# Altium PCB Spektrop2_Processor_Board_V1_draft_v4.PcbDoc (part 1 of 4) (continued)
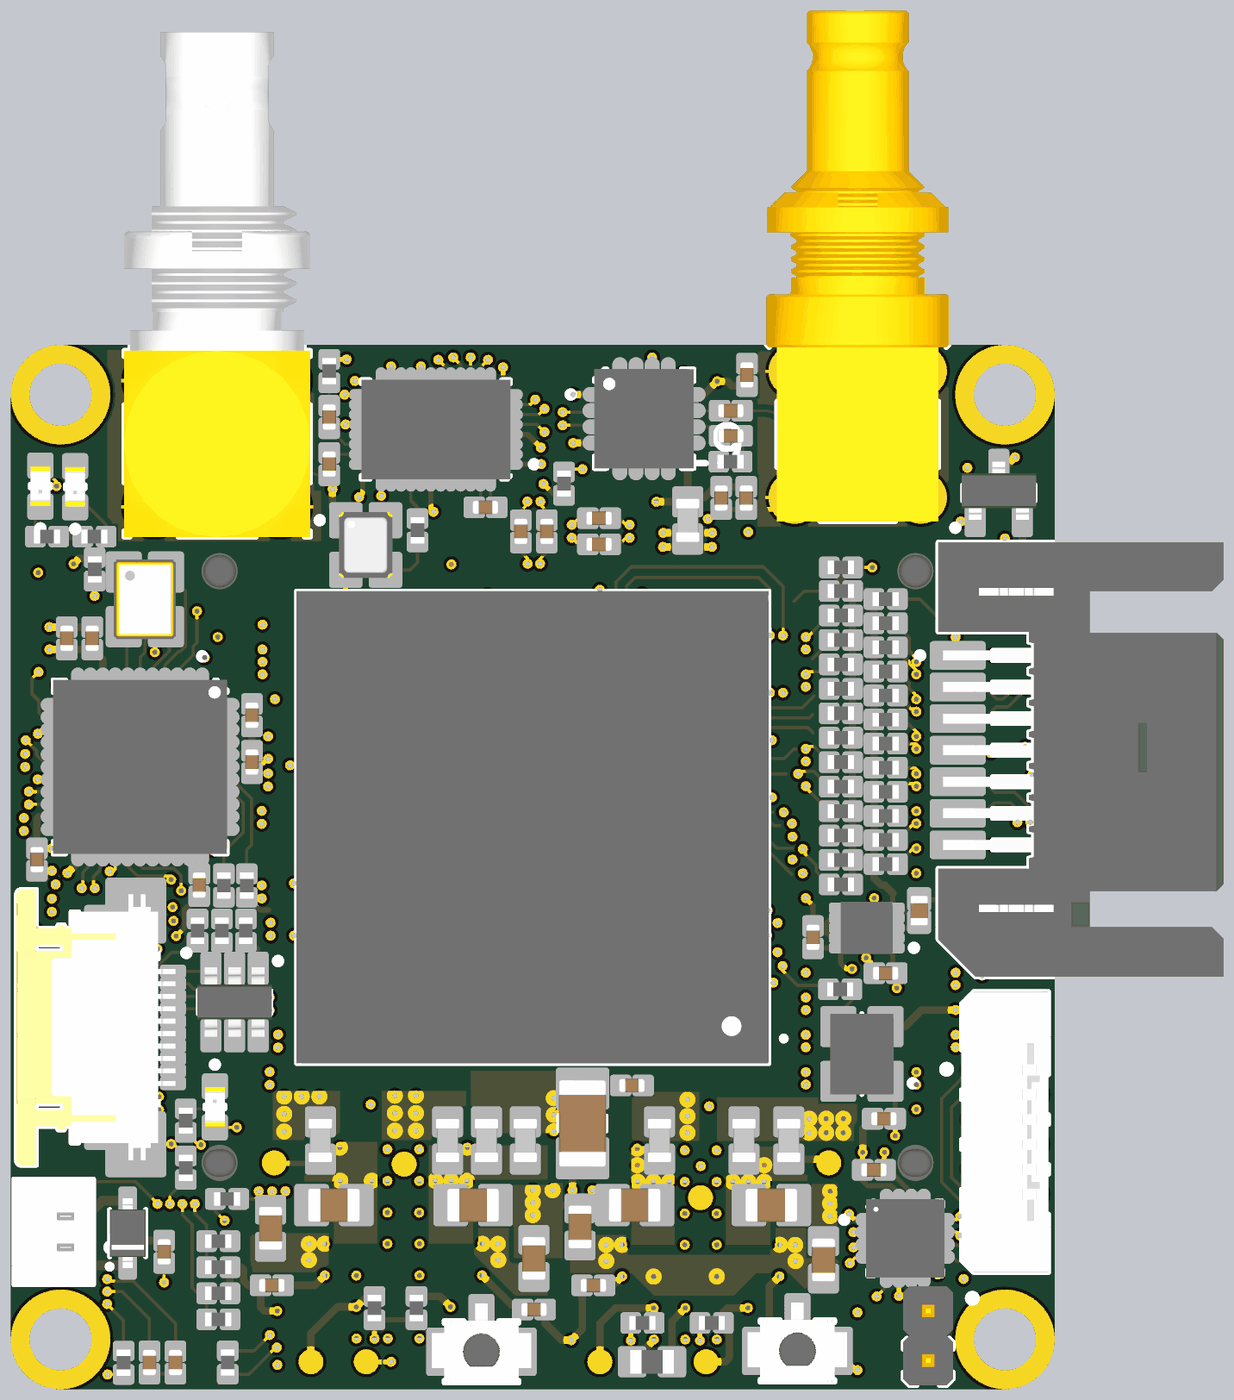
[diagram p11: 3D render of the assembled board from above, using the file's embedded part models]
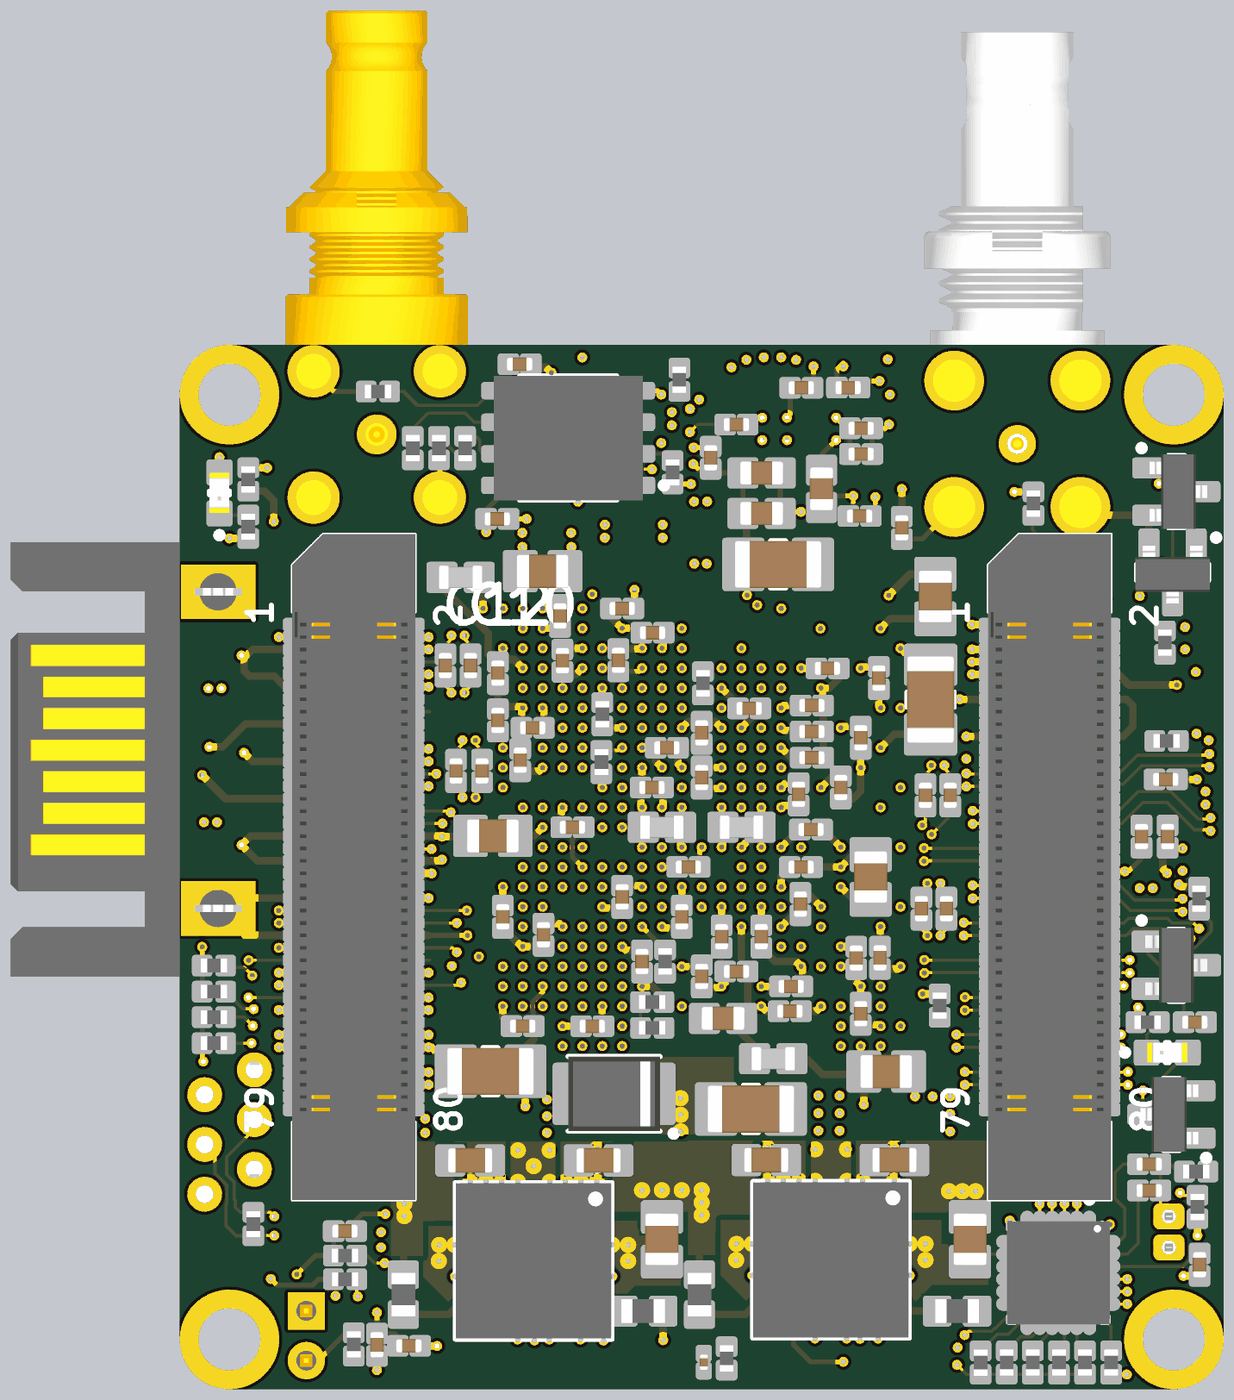
[diagram p12: 3D render of the assembled board from below, using the file's embedded part models]

## Layer stack, top to bottom
Top Solder: solder mask 0.0102, Solder Resist, Dk 3.5
TOP: signal copper 0.053
Dielectric 1: prepreg 0.11, FR-4, Dk 4.2
L1-GND: plane copper 0.018, net GND
Dielectric 3: core 0.3, Dk 4.2
L2: signal copper 0.018
Dielectric 6: prepreg 0.11, Dk 4.2
L3-1V8: signal copper 0.018
Dielectric 5: core 0.3, Dk 4.2
L4-PWR: plane copper 0.018, net (Multiple Nets)
Dielectric 4: prepreg 0.11, Dk 4.2
L5: signal copper 0.018
Dielectric 7: core 0.3, Dk 4.2
L6-GND: plane copper 0.018, net GND
Dielectric 8: prepreg 0.11, Dk 4.2
BTM: signal copper 0.053
Bottom Solder: solder mask 0.0102, Solder Resist, Dk 3.5

## Board outline
0,39.975 0,2 ccw(c2,2) 2,0 40,0 ccw(c40,2) 42,2 42,40 ccw(c40,40) 40,42 2.025,42 ccw(c2.025,39.975)

## Design rules (kind name [scope] priority, off if disabled: settings)
AcuteAngle [All] p1: minimum=6.00000000000000E+0001 checktracksonly=TRUE
AssemblyTestPointUsage [All] p1: valid=2 allowmultiple=TRUE
AssemblyTestpoint [IsPad  And (TestpointAssy = 'True') Or  (IsPad AND InComponent('J2'))] p1: testpointundercomponent=TRUE minsize=0.2 maxsize=2.54 preferedsize=0.2 minholesize=0.2 maxholesize=2 preferedholesize=0.2 testpointgrid=2.54 usegrid=FALSE gridoriginx=144.775 gridoriginy=129.55 gridtolerance=0 allowsidebottom=TRUE minspacing=1 compbodyclearance=1
BoardOutlineClearance BoardOutlineClearance_1 [All] p1: gap=0.2 ignorepadtopadclearanceinfootprint=FALSE
BoardOutlineClearance BoardOutlineClearance_L2 [OnLayer('L2')] p2: gap=2 ignorepadtopadclearanceinfootprint=FALSE
BoardOutlineClearance BoardOutlineClearance_L4 [OnLayer('L5')] p3: gap=2 ignorepadtopadclearanceinfootprint=FALSE
Clearance Clearance_75OHM [InNetClass('75OHM')] p1: gap=0.3 ignorepadtopadclearanceinfootprint=TRUE except(0: Arc-Hole Track-Hole SMDPad-Hole THPad-Hole Via-Hole Fill-Hole Poly-Hole Region-Hole Text-Hole)
Clearance Clearance_BGA [WithinRoom('BGA') vs WithinRoom('BGA')] p2: gap=0.1 ignorepadtopadclearanceinfootprint=TRUE except(0: Arc-Hole Track-Hole SMDPad-Hole THPad-Hole Via-Hole Fill-Hole Poly-Hole Region-Hole Text-Hole)
Clearance Clearance_DIFF_PAIRS [IsDifferentialPair vs IsDifferentialPair] p3: gap=0.5 ignorepadtopadclearanceinfootprint=TRUE except(0: Arc-Hole Track-Hole SMDPad-Hole THPad-Hole Via-Hole Fill-Hole Poly-Hole Region-Hole Text-Hole)
Clearance Clearance_PWR [InPolygon vs InNetClass('PWR')] p4: gap=0.2 ignorepadtopadclearanceinfootprint=FALSE except(0: Arc-Hole Track-Hole SMDPad-Hole THPad-Hole Via-Hole Fill-Hole Poly-Hole Region-Hole Text-Hole; 0.125: Via-Fill Via-Poly Via-Region)
Clearance Clearance_POLY [InPolygon] p5: gap=0.2 ignorepadtopadclearanceinfootprint=FALSE except(0: Arc-Hole Track-Hole SMDPad-Hole THPad-Hole Via-Hole Fill-Hole Poly-Hole Region-Hole Text-Hole; 0.125: Via-Fill Via-Poly Via-Region)
Clearance Clearance_General [All] p6: gap=0.125 ignorepadtopadclearanceinfootprint=TRUE except(0: Arc-Hole Track-Hole SMDPad-Hole THPad-Hole Via-Hole Fill-Hole Poly-Hole Region-Hole Text-Hole)
ComponentClearance ComponentClearance_SRAM [HasFootprint('SOP50P2000X120-48N') vs HasFootprint('SOP80P1184X119-44N')] p1: gap=0 collisioncheckmode=3 verticalgap=0 showdistances=FALSE
ComponentClearance [All] p2: gap=0.1 collisioncheckmode=3 verticalgap=0.35 showdistances=FALSE
DiffPairsRouting [InDifferentialPairClass('All Differential Pairs')] p1: maxlimit=0.3 minlimit=0.2 mostfreqgap=0.2 toplayer_prefgap=0.3 toplayer_minwidth=0.125 toplayer_maxwidth=0.125 toplayer_prefwidth=0.125 midlayer1_minwidth=0.1 midlayer1_maxwidth=0.1 midlayer1_prefwidth=0.1 midlayer2_minwidth=0.1 midlayer2_maxwidth=0.1 midlayer2_prefwidth=0.1 midlayer3_minwidth=0.1 midlayer3_maxwidth=0.1 midlayer3_prefwidth=0.1 bottomlayer_prefgap=0.3 bottomlayer_minwidth=0.125 bottomlayer_maxwidth=0.125 bottomlayer_prefwidth=0.125 maxuncoupledlength=5
FabricationTestPointUsage TestPointUsage [All] p1 off: valid=0 allowmultiple=FALSE
FabricationTestpoint Testpoint [All] p1 off: side=3 testpointundercomponent=TRUE minsize=1.016 maxsize=2.54 preferedsize=1.524 minholesize=0 maxholesize=1.016 preferedholesize=0.813 testpointgrid=0.025 allowsidetop=TRUE allowsidebottom=TRUE usegrid=TRUE gridtolerance=0
FanoutControl Fanout_BGA [IsBGA] p1: bgadir=Out bgaviamode=Centered fanoutstyle=BGA fanoutdirection=OutOnly viagrid=0.025 // Fanout_BGA (Default Rule)
FanoutControl Fanout_Default [All] p5: bgadir=Out bgaviamode=Centered fanoutstyle=BGA fanoutdirection=Alternating viagrid=0.025 // Fanout_Default (Default Rule)
HoleSize [All] p1: absolutevalues=TRUE maxlimit=5 minlimit=0.2 maxpercent=80.000 minpercent=20.000
HoleToHoleClearance [All] p1: gap=0.2 allowstackedmicrovias=FALSE
MinimumSolderMaskSliver [All] p1: minsoldermaskwidth=0.05
PasteMaskExpansion [All] p1: expansion=0.125
PermittedLayers [All] p1: toplayerpermitted=TRUE bottomlayerpermitted=FALSE
PlaneClearance [All] p1: clearance=0.125
PlaneConnect [All] p1: planeconnectstyle=Direct reliefexpansion=0.508 reliefentries=4 reliefconductorwidth=0.381 reliefairgap=0.381
PolygonConnect PolygonConnect_PWR [InNetClass('PWR')] p1: thpad.connectstyle=Relief thpad.reliefconductorwidth=0.125 thpad.reliefentries=4 thpad.polygonreliefangle="90 Angle" thpad.airgapwidth=0.125 smdpad.connectstyle=Relief smdpad.reliefconductorwidth=0.125 smdpad.reliefentries=4 smdpad.polygonreliefangle="90 Angle" smdpad.airgapwidth=0.125 via.connectstyle=Direct via.reliefconductorwidth=0.2 via.reliefentries=4 via.polygonreliefangle="90 Angle" via.airgapwidth=0.2
PolygonConnect "Vias Direct Connect" [IsVia] p2: connectstyle=Direct reliefconductorwidth=0.254 reliefentries=4 polygonreliefangle="90 Angle" airgapwidth=0.254
PolygonConnect [All] p3: connectstyle=Direct reliefconductorwidth=0.2 reliefentries=4 polygonreliefangle="90 Angle" airgapwidth=0.2
RoomDefinition BGA [HasFootprint('BGA484C80P22X22_1900X1900X160')] p1: confinementstyle=ConfineIn formatcopy=TRUE lockcomponents=FALSE outline 12.45,14.229 29.45,14.229 29.45,34.5 12.45,34.5
RoomDefinition Zynq_all [InComponentClass('U_Zynq_Config') OR InComponentClass('U_Zynq_FPGA_Bank34') OR InComponentClass('U_Zynq_FPGA_Bank13') OR InComponentClass('U_Zynq_FPGA_Bank35') OR InComponentClass('U_Zynq_MGT') OR InComponentClass('U_Zynq_Power') OR InComponentClass('U_Zynq_PS');] p2: confinementstyle=ConfineIn formatcopy=TRUE lockcomponents=FALSE outline 124.125,47.324 170.395,47.324 170.395,87.124 124.125,87.124
RoomDefinition CoaXPress [InComponentClass('CoaXPress')] p3: confinementstyle=ConfineIn formatcopy=TRUE lockcomponents=FALSE outline 133.7,105.8 166.7,105.8 166.7,132.4 133.7,132.4
RoomDefinition U_UHD_SDI [InComponentClass('U_UHD_SDI')] p4: confinementstyle=ConfineIn formatcopy=TRUE lockcomponents=FALSE outline 106.9,108.8 127.4,108.8 127.4,132.126 106.9,132.126
RoomDefinition U_SATA [InComponentClass('U_SATA')] p5: confinementstyle=ConfineIn formatcopy=TRUE lockcomponents=FALSE outline 43.1,88.6 56.1,88.6 56.1,109.6 43.1,109.6
RoomDefinition U_MGT_Clock_Generation [InComponentClass('U_MGT_Clock_Generation')] p6: confinementstyle=ConfineIn formatcopy=TRUE lockcomponents=FALSE outline 100,4.9 116.7,4.9 116.7,16.2 100,16.2
RoomDefinition RS485 [InComponentClass('RS485')] p7: confinementstyle=ConfineIn formatcopy=TRUE lockcomponents=FALSE outline 140.5,4.9 179.8,4.9 179.8,18.2 140.5,18.2
RoomDefinition Power [InComponentClass('Power')] p8: confinementstyle=ConfineIn formatcopy=TRUE lockcomponents=FALSE outline 42.8,33.5 102,33.5 102,55.8 42.8,55.8
RoutingCorners RoutingCorners_rounded [InNetClass('75OHM')] p1: cornerstyle=Round minsetback=1.27 maxsetback=1.27
RoutingCorners [All] p2: cornerstyle=45-Degree minsetback=1.27 maxsetback=1.27
RoutingVias [All] p1: holewidth=0.2 width=0.4 viastyle="Through Hole" minholewidth=0.2 minwidth=0.4 maxholewidth=1 maxwidth=1.5
SignalStimulus [InNetClass('SCK')] p1: kind=2 level=0 starttime=10.00n stoptime=60.00n periodtime=100.00n
SilkToSilkClearance [All] p1: silktosilkclearance=0.125
SilkToSolderMaskClearance SilkscreenOverComponentPads [IsPad] p1: minsilkscreentomaskgap=0.125 clearancetoexposedcopper=TRUE
SolderMaskExpansion [All] p1: expansion=0.125
UnRoutedNet [All] p1: checkbadconnections=TRUE
Width Width_SE75 [InNetClass('75OHM')] p1: maxlimit=1 minlimit=0.1 preferedwidth=1 toplayer_maxwidth=0.1 toplayer_prefwidth=0.1 midlayer1_minwidth=1 midlayer2_minwidth=1 midlayer3_minwidth=1 bottomlayer_maxwidth=0.1 bottomlayer_prefwidth=0.1 minimp=50.000000 maximp=50.000000 favimp=50.000000 // Routed as coplanar waveguide on the top layer
Width Width_SE50 [InNetClass('SE50')] p2: maxlimit=0.125 minlimit=0.1 preferedwidth=0.1 toplayer_minwidth=0.125 toplayer_prefwidth=0.125 midlayer1_maxwidth=0.1 midlayer2_maxwidth=0.1 midlayer3_maxwidth=0.1 bottomlayer_minwidth=0.125 bottomlayer_prefwidth=0.125 minimp=50.000000 maximp=50.000000 favimp=50.000000
Width Width_PWR [InNetClass('PWR')] p3: maxlimit=5 minlimit=0.2 preferedwidth=0.3 minimp=50.000000 maximp=50.000000 favimp=50.000000 checkconnectedcopper=TRUE
Width [All] p4: maxlimit=1 minlimit=0.1 preferedwidth=0.1 toplayer_minwidth=0.125 toplayer_prefwidth=0.125 bottomlayer_minwidth=0.125 bottomlayer_prefwidth=0.125 minimp=50.000000 maximp=50.000000 favimp=50.000000 checkconnectedcopper=TRUE
Width Width_BGA [WithinRoom('BGA')] p5: maxlimit=1 minlimit=0.1 preferedwidth=0.1 toplayer_prefwidth=0.125 bottomlayer_prefwidth=0.125 minimp=50.000000 maximp=50.000000 favimp=50.000000 checkconnectedcopper=TRUE
12 further rules are at their usual default settings.

## Classes and differential pairs
net class SE50: FPGA_BANK35_HSTL_IN_IO0 FPGA_BANK35_HSTL_IN_IO1 FPGA_BANK35_HSTL_IN_IO2 FPGA_BANK35_HSTL_IN_IO3 FPGA_BANK35_HSTL_IN_IO4 FPGA_BANK35_HSTL_IN_IO5 FPGA_BANK35_HSTL_IN_IO6 FPGA_BANK35_HSTL_IN_IO7 FPGA_BANK35_HSTL_IN_IO8 FPGA_BANK35_HSTL_IN_IO9 FPGA_BANK35_HSTL_IN_IO10 FPGA_BANK35_HSTL_IN_IO11 FPGA_BANK35_HSTL_IN_IO12 FPGA_BANK35_HSTL_IN_IO13 FPGA_BANK35_HSTL_IN_IO14 FPGA_BANK35_HSTL_IN_IO15 FPGA_BANK35_HSTL_IN_IO16 FPGA_BANK35_HSTL_IN_IO17 FPGA_BANK35_HSTL_IN_IO18 FPGA_BANK35_HSTL_IN_IO19 FPGA_BANK35_HSTL_IN_IO20 FPGA_BANK35_HSTL_IN_IO21 FPGA_BANK35_HSTL_IN_IO22 FPGA_BANK35_HSTL_IN_IO23 FPGA_BANK35_HSTL_IN_IO24 FPGA_BANK35_HSTL_IN_IO25 FPGA_BANK35_HSTL_IO1 FPGA_BANK35_HSTL_IO2 FPGA_BANK35_HSTL_IO3 PUDC_B
net class DIFF100: CLK_MGT0_C_N CLK_MGT0_C_P CLK_MGT0_N CLK_MGT0_P CLK_MGT1_C_N CLK_MGT1_C_P CLK_MGT1_N CLK_MGT1_P FPGA_BANK34_DIFF1_N FPGA_BANK34_DIFF1_P FPGA_BANK34_DIFF2_N FPGA_BANK34_DIFF2_P FPGA_BANK34_DIFF3_N FPGA_BANK34_DIFF3_P FPGA_BANK34_DIFF4_N FPGA_BANK34_DIFF4_P FPGA_BANK34_DIFF5_N FPGA_BANK34_DIFF5_P FPGA_BANK34_DIFF6_N FPGA_BANK34_DIFF6_P FPGA_BANK34_DIFF7_N FPGA_BANK34_DIFF7_P FPGA_BANK34_DIFF8_N FPGA_BANK34_DIFF8_P FPGA_BANK34_DIFF9_N FPGA_BANK34_DIFF9_P FPGA_BANK34_DIFF10_N FPGA_BANK34_DIFF10_P FPGA_BANK34_DIFF11_N FPGA_BANK34_DIFF11_P FPGA_BANK34_DIFF12_N FPGA_BANK34_DIFF12_P FPGA_BANK34_DIFF13_N FPGA_BANK34_DIFF13_P FPGA_BANK34_DIFF14_N FPGA_BANK34_DIFF14_P FPGA_BANK34_DIFF15_N FPGA_BANK34_DIFF15_P FPGA_BANK34_DIFF16_N FPGA_BANK34_DIFF16_P FPGA_BANK34_DIFF17_N FPGA_BANK34_DIFF17_P FPGA_BANK34_DIFF18_N FPGA_BANK34_DIFF18_P FPGA_BANK34_DIFF19_N FPGA_BANK34_DIFF19_P MGT_RX0_C_N MGT_RX0_C_P MGT_RX0_N MGT_RX0_P MGT_TX0_C_N MGT_TX0_C_P MGT_TX0_N MGT_TX0_P MGT_TX1_C_N MGT_TX1_C_P MGT_TX1_N MGT_TX1_P MGT_TX2_C_N MGT_TX2_C_P MGT_TX2_N MGT_TX2_P
net class Bank34: COAXPRESS_UPLINK FPGA_BANK35_HSTL_IN_IO0 FPGA_BANK35_HSTL_IN_IO1 FPGA_BANK35_HSTL_IN_IO2 FPGA_BANK35_HSTL_IN_IO3 FPGA_BANK35_HSTL_IN_IO4 FPGA_BANK35_HSTL_IN_IO5 FPGA_BANK35_HSTL_IN_IO6 FPGA_BANK35_HSTL_IN_IO7 FPGA_BANK35_HSTL_IN_IO8 FPGA_BANK35_HSTL_IN_IO9 FPGA_BANK35_HSTL_IN_IO10 FPGA_BANK35_HSTL_IN_IO11 FPGA_BANK35_HSTL_IN_IO12 FPGA_BANK35_HSTL_IN_IO13 FPGA_BANK35_HSTL_IN_IO14 FPGA_BANK35_HSTL_IN_IO15 FPGA_BANK35_HSTL_IN_IO16 FPGA_BANK35_HSTL_IN_IO17 FPGA_BANK35_HSTL_IN_IO18 FPGA_BANK35_HSTL_IN_IO19 FPGA_BANK35_HSTL_IN_IO20 FPGA_BANK35_HSTL_IN_IO21 FPGA_BANK35_HSTL_IN_IO22 FPGA_BANK35_HSTL_IN_IO23 FPGA_BANK35_HSTL_IN_IO24 FPGA_BANK35_HSTL_IN_IO25 FPGA_BANK35_HSTL_IO0 FPGA_BANK35_HSTL_IO1 FPGA_BANK35_HSTL_IO2 FPGA_BANK35_HSTL_IO3 GS12281_GPIO0 GS12281_GPIO1 GS12281_GPIO2 GS12281_GPIO3 GS12281_nCS GS12281_SCLK GS12281_SDIN GS12281_SDOUT LED0 LED1 PUDC_B SI5340_SCL SI5340_SDA
net class Bank35: FPGA_BANK34_DIFF1_N FPGA_BANK34_DIFF1_P FPGA_BANK34_DIFF2_N FPGA_BANK34_DIFF2_P FPGA_BANK34_DIFF3_N FPGA_BANK34_DIFF3_P FPGA_BANK34_DIFF4_N FPGA_BANK34_DIFF4_P FPGA_BANK34_DIFF5_N FPGA_BANK34_DIFF5_P FPGA_BANK34_DIFF6_N FPGA_BANK34_DIFF6_P FPGA_BANK34_DIFF7_N FPGA_BANK34_DIFF7_P FPGA_BANK34_DIFF8_N FPGA_BANK34_DIFF8_P FPGA_BANK34_DIFF9_N FPGA_BANK34_DIFF9_P FPGA_BANK34_DIFF10_N FPGA_BANK34_DIFF10_P FPGA_BANK34_DIFF11_N FPGA_BANK34_DIFF11_P FPGA_BANK34_DIFF12_N FPGA_BANK34_DIFF12_P FPGA_BANK34_DIFF13_N FPGA_BANK34_DIFF13_P FPGA_BANK34_DIFF14_N FPGA_BANK34_DIFF14_P FPGA_BANK34_DIFF15_N FPGA_BANK34_DIFF15_P FPGA_BANK34_DIFF16_N FPGA_BANK34_DIFF16_P FPGA_BANK34_DIFF17_N FPGA_BANK34_DIFF17_P FPGA_BANK34_DIFF18_N FPGA_BANK34_DIFF18_P FPGA_BANK34_DIFF19_N FPGA_BANK34_DIFF19_P RS485_RX RS485_TX SI5340_LOS_XAXBb SI5340_nINTR Si5340_nLOL SI5340_nRST
net class Bank13: FPGA_BANK13_IO0 FPGA_BANK13_IO1 FPGA_BANK13_IO2 FPGA_BANK13_IO3 FPGA_BANK13_IO4 FPGA_BANK13_IO5 FPGA_BANK13_IO6 FPGA_BANK13_IO7 FPGA_BANK13_IO8 FPGA_BANK13_IO9 FPGA_BANK13_IO10
net class 75OHM: nSDO0 nSDO0_C SDO0 SDO0_C
component class U_UHD_SDI: C110 C111 C112 C113 C114 C125 C126 C127 C128 C129 C130 C131 C132 C133 IC6 J6 OSC2 R66 R67
net class FPGA_BANK35_HSTL_IO[3..0]: FPGA_BANK35_HSTL_IO0 FPGA_BANK35_HSTL_IO1 FPGA_BANK35_HSTL_IO2 FPGA_BANK35_HSTL_IO3
net class FPGA_BANK35_HSTL_IN_IO[25..0]: FPGA_BANK35_HSTL_IN_IO0 FPGA_BANK35_HSTL_IN_IO1 FPGA_BANK35_HSTL_IN_IO2 FPGA_BANK35_HSTL_IN_IO3 FPGA_BANK35_HSTL_IN_IO4 FPGA_BANK35_HSTL_IN_IO5 FPGA_BANK35_HSTL_IN_IO6 FPGA_BANK35_HSTL_IN_IO7 FPGA_BANK35_HSTL_IN_IO8 FPGA_BANK35_HSTL_IN_IO9 FPGA_BANK35_HSTL_IN_IO10 FPGA_BANK35_HSTL_IN_IO11 FPGA_BANK35_HSTL_IN_IO12 FPGA_BANK35_HSTL_IN_IO13 FPGA_BANK35_HSTL_IN_IO14 FPGA_BANK35_HSTL_IN_IO15 FPGA_BANK35_HSTL_IN_IO16 FPGA_BANK35_HSTL_IN_IO17 FPGA_BANK35_HSTL_IN_IO18 FPGA_BANK35_HSTL_IN_IO19 FPGA_BANK35_HSTL_IN_IO20 FPGA_BANK35_HSTL_IN_IO21 FPGA_BANK35_HSTL_IN_IO22 FPGA_BANK35_HSTL_IN_IO23 FPGA_BANK35_HSTL_IN_IO24 FPGA_BANK35_HSTL_IN_IO25
net class FPGA_BANK13_IO[10..0]: FPGA_BANK13_IO0 FPGA_BANK13_IO1 FPGA_BANK13_IO2 FPGA_BANK13_IO3 FPGA_BANK13_IO4 FPGA_BANK13_IO5 FPGA_BANK13_IO6 FPGA_BANK13_IO7 FPGA_BANK13_IO8 FPGA_BANK13_IO9 FPGA_BANK13_IO10
component class U_Zynq_FPGA_Bank35: C122 C123 C124 IC9 LD3 LD4 LD? R58 R62 R77 R78 R85 R86 R87 R88 R89 R90 R91 R92 R93 R94 R95 R96 R97 R98 R99 R100 R101 R102 R103 R104 R105 R106 R107 R108 R109 R110 R? T4 T5 T?
component class U_Sensor_Board_Connectors_80_pin: J7 J8
component class U_SATA: J9
component class U_MGT_Clock_Generation: C115 C116 C117 C118 C119 C120 C121 C134 C135 IC7 Q1 R79 R80 R81 R82 R83 R84
net class JTAG: TCK TCK_R TDI TDI_R TDO TDO_R TMS TMS_R
component class U_Zynq_PS: C74 C75 C76 C77 D1 D3 IC3 J2 J3 LD2 OSC1 PB2 R14 R15 R16 R17 R18 R20 R21 R22 R23 R24 R25 R26 R27 R28 R29 R30 T2
component class U_Zynq_Power: C18 C19 C20 C21 C22 C23 C24 C25 C26 C27 C28 C29 C30 C31 C32 C33 C34 C35 C36 C37 C38 C39 C40 C41 C42 C43 C44 C45 C46 C47 C48 C49 C50 C51 C52 C53 C54 C55 C56 C57 C58 C59 C60 C61 C63 C64 C65 C66 C67 C68 C69 C70 C71 C72 C73 L1 L2 L3 L4
component class U_Zynq_MGT: C4 C5 C6 C7 C8 C9 C10 C11 C12 C13 C14 C15 R13
component class U_Zynq_Config: C3 LD1 PB1 R4 R5 R6 R7 R8 R9 R10 R11 R12 T1
net class Diff_100Ohm: CLK_MGT0_C_N CLK_MGT0_C_P CLK_MGT0_N CLK_MGT0_P CLK_MGT1_C_N CLK_MGT1_C_P CLK_MGT1_N CLK_MGT1_P MGT_RX0_C_N MGT_RX0_C_P MGT_RX0_N MGT_RX0_P MGT_TX0_C_N MGT_TX0_C_P MGT_TX0_N MGT_TX0_P MGT_TX1_C_N MGT_TX1_C_P MGT_TX1_N MGT_TX1_P MGT_TX2_C_N MGT_TX2_C_P MGT_TX2_N MGT_TX2_P
net class PWR: GND MGTAVCC MGTAVTT NetC80_1 P0V9 P1V0 P1V0_L P1V2 P1V8 P1V8_L P3V3 P3V3_L P12V0
component class CoaXPress: C78 C79 C80 C81 C82 C83 IC4 J4 L9 R31
component class Power: B1 B2 B3 B4 B5 B6 B7 B8 C84 C85 C86 C87 C88 C89 C90 C91 C92 C93 C94 C95 C96 C97 C98 C99 C100 C101 C102 C103 C104 C105 C106 C107 D2 IC5 IC8 IC10 J5 L5 L6 L7 L10 L11 L12 L13 LD7 R32 R33 R34 R35 R36 R37 R38 R39 R40 R41 R42 R43 R44 R45 R46 R47 R50 R51 R52 R53 R54 R55 R56 R57 R59 R60
component class RS485: C1 C2 C? IC1 J1 R1 R2 R3
component class U_Zynq_FPGA_Bank13: IC2
net class MGT: CLK_MGT0_C_N CLK_MGT0_C_P CLK_MGT0_N CLK_MGT0_P CLK_MGT1_C_N CLK_MGT1_C_P CLK_MGT1_N CLK_MGT1_P MGT_RX0_C_N MGT_RX0_C_P MGT_RX0_N MGT_RX0_P MGT_TX0_C_N MGT_TX0_C_P MGT_TX0_N MGT_TX0_P MGT_TX1_C_N MGT_TX1_C_P MGT_TX1_N MGT_TX1_P MGT_TX2_C_N MGT_TX2_C_P MGT_TX2_N MGT_TX2_P nSDO0 nSDO0_C SDO0 SDO0_C
net class CLK: CLK_MGT0_C_N CLK_MGT0_C_P CLK_MGT0_N CLK_MGT0_P CLK_MGT1_C_N CLK_MGT1_C_P CLK_MGT1_N CLK_MGT1_P
net class HSTL_IN: FPGA_BANK35_HSTL_IN_IO0 FPGA_BANK35_HSTL_IN_IO1 FPGA_BANK35_HSTL_IN_IO2 FPGA_BANK35_HSTL_IN_IO3 FPGA_BANK35_HSTL_IN_IO4 FPGA_BANK35_HSTL_IN_IO5 FPGA_BANK35_HSTL_IN_IO6 FPGA_BANK35_HSTL_IN_IO7 FPGA_BANK35_HSTL_IN_IO8 FPGA_BANK35_HSTL_IN_IO9 FPGA_BANK35_HSTL_IN_IO10 FPGA_BANK35_HSTL_IN_IO11 FPGA_BANK35_HSTL_IN_IO12 FPGA_BANK35_HSTL_IN_IO13 FPGA_BANK35_HSTL_IN_IO14 FPGA_BANK35_HSTL_IN_IO15 FPGA_BANK35_HSTL_IN_IO16 FPGA_BANK35_HSTL_IN_IO17 FPGA_BANK35_HSTL_IN_IO18 FPGA_BANK35_HSTL_IN_IO19 FPGA_BANK35_HSTL_IN_IO20 FPGA_BANK35_HSTL_IN_IO21 FPGA_BANK35_HSTL_IN_IO22 FPGA_BANK35_HSTL_IN_IO23 FPGA_BANK35_HSTL_IN_IO24 FPGA_BANK35_HSTL_IN_IO25 P0V9 PUDC_B
differential pair MGT_TX1: +MGT_TX1_P -MGT_TX1_N
differential pair FPGA_BANK34_DIFF19: +FPGA_BANK34_DIFF19_P -FPGA_BANK34_DIFF19_N
differential pair FPGA_BANK34_DIFF18: +FPGA_BANK34_DIFF18_P -FPGA_BANK34_DIFF18_N
differential pair FPGA_BANK34_DIFF17: +FPGA_BANK34_DIFF17_P -FPGA_BANK34_DIFF17_N
differential pair FPGA_BANK34_DIFF16: +FPGA_BANK34_DIFF16_P -FPGA_BANK34_DIFF16_N
differential pair FPGA_BANK34_DIFF15: +FPGA_BANK34_DIFF15_P -FPGA_BANK34_DIFF15_N
differential pair FPGA_BANK34_DIFF14: +FPGA_BANK34_DIFF14_P -FPGA_BANK34_DIFF14_N
differential pair FPGA_BANK34_DIFF13: +FPGA_BANK34_DIFF13_P -FPGA_BANK34_DIFF13_N
differential pair FPGA_BANK34_DIFF12: +FPGA_BANK34_DIFF12_P -FPGA_BANK34_DIFF12_N
differential pair FPGA_BANK34_DIFF11: +FPGA_BANK34_DIFF11_P -FPGA_BANK34_DIFF11_N
differential pair FPGA_BANK34_DIFF10: +FPGA_BANK34_DIFF10_P -FPGA_BANK34_DIFF10_N
differential pair FPGA_BANK34_DIFF9: +FPGA_BANK34_DIFF9_P -FPGA_BANK34_DIFF9_N
differential pair FPGA_BANK34_DIFF8: +FPGA_BANK34_DIFF8_P -FPGA_BANK34_DIFF8_N
differential pair FPGA_BANK34_DIFF7: +FPGA_BANK34_DIFF7_P -FPGA_BANK34_DIFF7_N
differential pair FPGA_BANK34_DIFF6: +FPGA_BANK34_DIFF6_P -FPGA_BANK34_DIFF6_N
differential pair FPGA_BANK34_DIFF5: +FPGA_BANK34_DIFF5_P -FPGA_BANK34_DIFF5_N
differential pair FPGA_BANK34_DIFF4: +FPGA_BANK34_DIFF4_P -FPGA_BANK34_DIFF4_N
differential pair FPGA_BANK34_DIFF3: +FPGA_BANK34_DIFF3_P -FPGA_BANK34_DIFF3_N
differential pair FPGA_BANK34_DIFF2: +FPGA_BANK34_DIFF2_P -FPGA_BANK34_DIFF2_N
differential pair FPGA_BANK34_DIFF1: +FPGA_BANK34_DIFF1_P -FPGA_BANK34_DIFF1_N
differential pair CLK_MGT1: +CLK_MGT1_P -CLK_MGT1_N
differential pair CLK_MGT1_C: +CLK_MGT1_C_P -CLK_MGT1_C_N
differential pair CLK_MGT0: +CLK_MGT0_P -CLK_MGT0_N
differential pair CLK_MGT0_C: +CLK_MGT0_C_P -CLK_MGT0_C_N
differential pair MGT_TX0: +MGT_TX0_P -MGT_TX0_N
differential pair MGT_TX2: +MGT_TX2_P -MGT_TX2_N
differential pair MGT_TX0_C: +MGT_TX0_C_P -MGT_TX0_C_N
differential pair MGT_TX1_C: +MGT_TX1_C_P -MGT_TX1_C_N
differential pair MGT_TX2_C: +MGT_TX2_C_P -MGT_TX2_C_N
differential pair MGT_RX0_C: +MGT_RX0_C_P -MGT_RX0_C_N
differential pair MGT_RX0: +MGT_RX0_P -MGT_RX0_N
